# Altium PCB PCB_Kasli.PCBDOC (part 2 of 16) (continued)
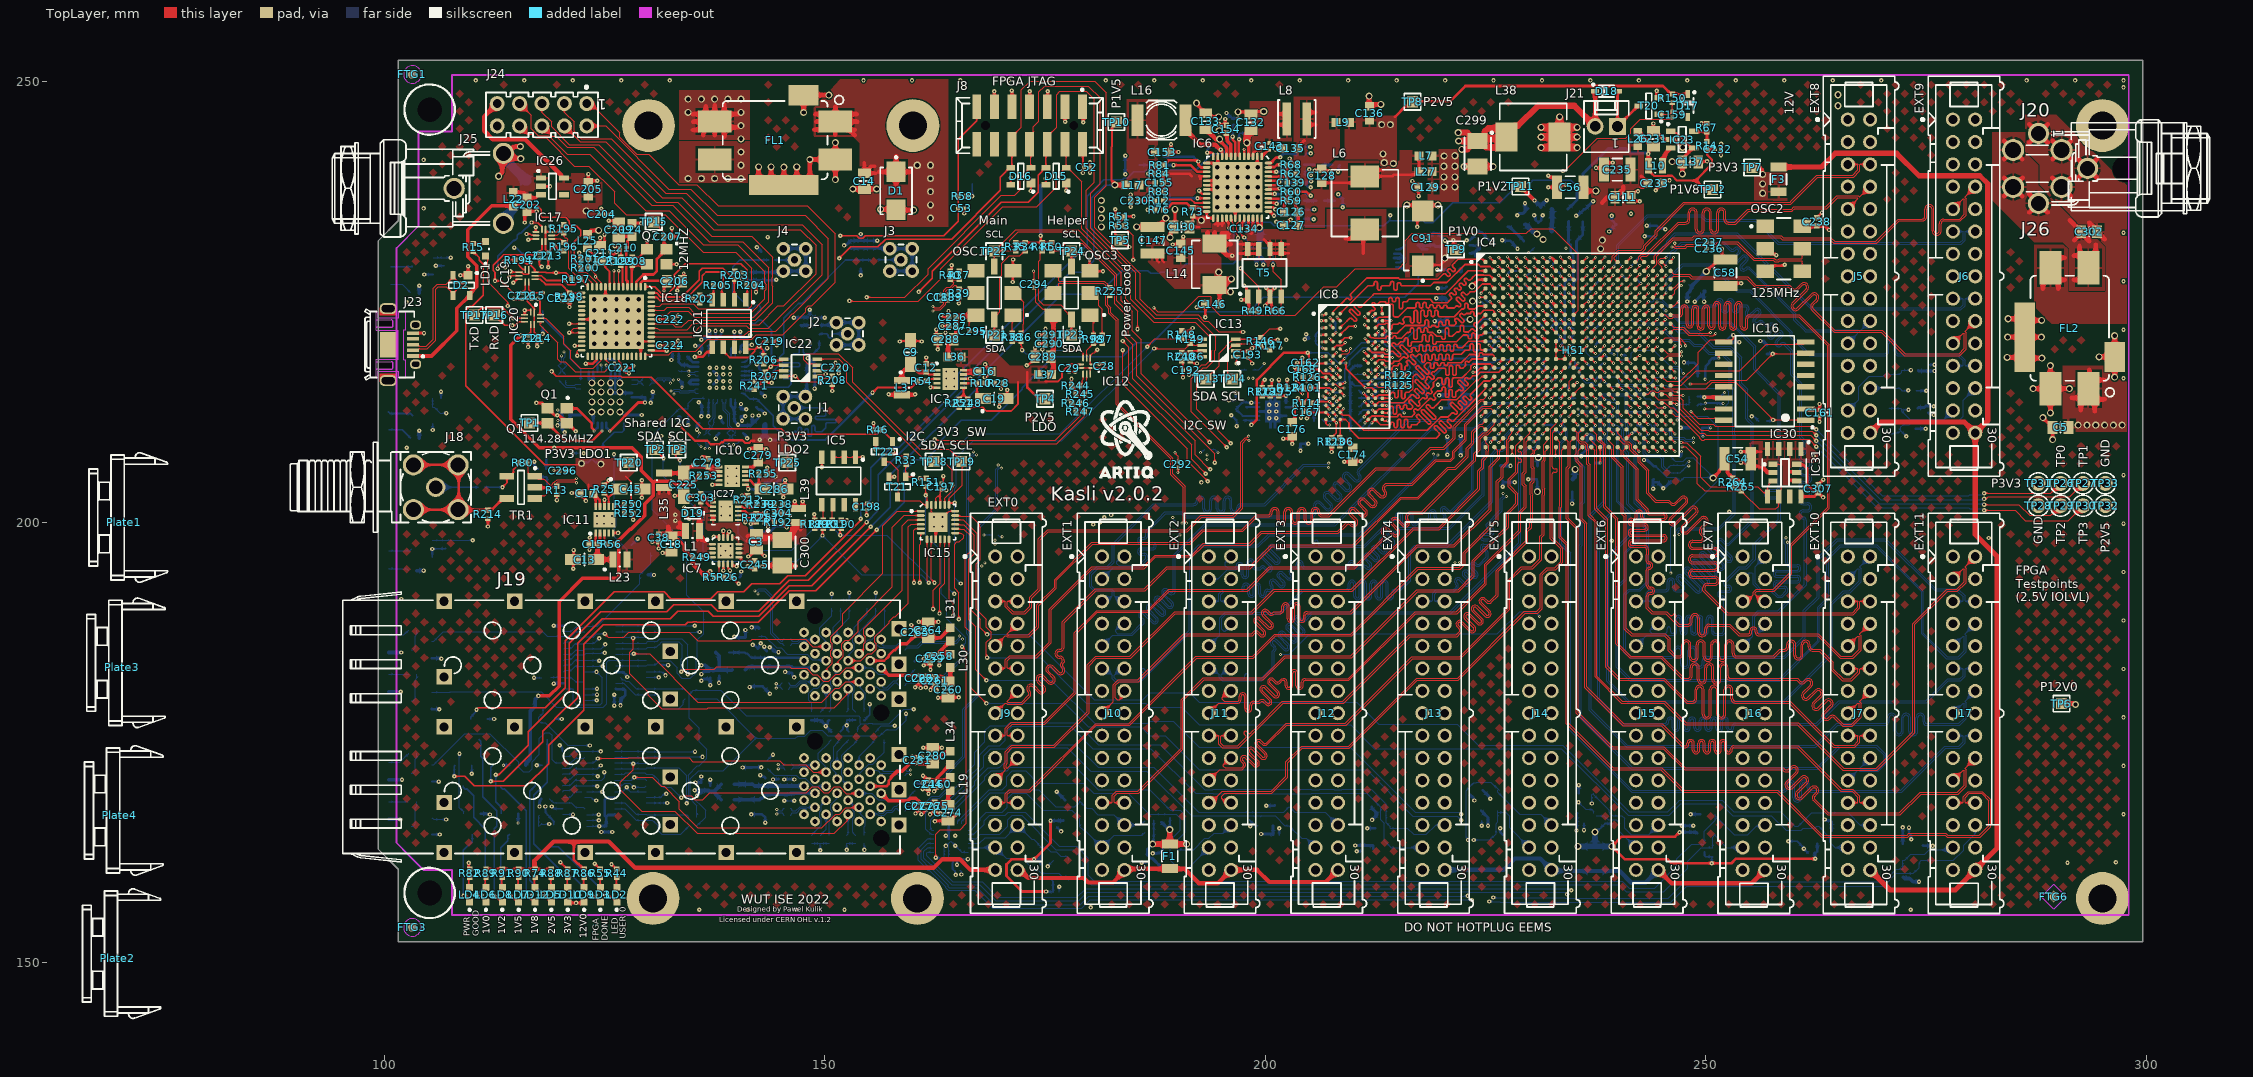
[diagram p0: TopLayer view]
## Components (designator, comment, footprint, x,y, rotation, side; value= is the part's Value field where it differs from the comment) (continued)
R71 "910" RESC1005X40N 203.95,240.7 r180 bottom
R72 "2k" RESC1005X40N 203.962,242.57 r180 bottom
R73 "10k" RESC1005X40N 191.77,235.204 r270 top
R74 "10k" RESC1005X40N 117.122,160.147 r90 top
R75 "7k5" RESC1005X40N 187.96,235.458 r180 bottom
R76 "2k" RESC1005X40N 187.96,235.458 r0 top
R77 "30k" RESC1005X40N 187.96,237.49 r0 bottom
R78 "7k5" RESC1005X40N 188.5,242 r270 bottom
R79 "7k5" RESC1005X40N 187.96,240.538 r0 bottom
R80 "0" RESC1005X40N 115.75,206.75 r0 top
R81 "5k1" RESC1005X40N 188,240.5 r0 top
R82 "1k" RESC1005X40N 109.7,160.147 r90 top
R83 "24k" RESC1005X40N 187.96,237.49 r180 top
R84 "27k" RESC1005X40N 187.96,239.522 r0 top
R85 "43k2" RESC1005X35N 203.962,237.49 r180 bottom
R86 "10k" RESC1005X40N 122.689,160.147 r90 top
R87 "1k" RESC1005X40N 120.833,160.147 r90 top
R88 "10k" RESC1005X40N 118.978,160.147 r90 top
R89 "10k" RESC1005X40N 111.556,160.147 r90 top
R90 "10k" RESC1005X40N 115.267,160.147 r90 top
R91 "10k" RESC1005X40N 113.411,160.147 r90 top
R92 "51k" RESC1005X40N 197.104,244.602 r90 bottom
R93 "36k" RESC1005X40N 198.12,244.602 r270 bottom
R94 "2k2" RESC1005X40N 256.467,211.464 r180 bottom
R95 "2k2" RESC1005X40N 256.894,219.675 r90 bottom
R96 "2k2" RESC1005X40N 252.574,220.429 r0 bottom
R97 "0" RESC1005X40N 181.5,220.75 r90 top
R98 "0" RESC1005X40N 180.5,220.75 r270 top
R99 "51" RESC1005X40N 206.144,214.95 r180 bottom
R100 "51" RESC1005X40N 212.824,215.311 r90 bottom
R101 "51" RESC1005X40N 204.769,215.25 r180 top
R102 "51" RESC1005X40N 206.144,215.875 r180 bottom
R103 "51" RESC1005X40N 206.194,217.15 r180 bottom
R104 "51" RESC1005X40N 206.194,218.075 r180 bottom
R105 "51" RESC1005X40N 210.119,210.375 r180 bottom
R106 "51" RESC1005X40N 208.469,209.1 r270 top
R107 "51" RESC1005X40N 210.119,214.975 r180 bottom
R108 "51" RESC1005X40N 210.119,211.275 r180 bottom
R109 "51" RESC1005X40N 210.119,216 r180 bottom
R110 "51" RESC1005X40N 208.744,210.95 r270 bottom
R111 "51" RESC1005X40N 211.744,209.9 r270 bottom
R112 "51" RESC1005X40N 205.994,211.475 r180 bottom
R113 "51" RESC1005X40N 210.119,212.2 r180 bottom
R114 "51" RESC1005X40N 204.719,213.5 r180 top
R115 "51" RESC1005X40N 210.119,214.05 r180 bottom
R116 "51" RESC1005X40N 205.394,214.05 r180 bottom
R117 "51" RESC1005X40N 205.994,212.375 r180 bottom
R118 "51" RESC1005X40N 210.119,213.125 r180 bottom
R119 "51" RESC1005X40N 205.994,213.25 r180 bottom
R120 "51" RESC1005X40N 211.519,217.6 r0 bottom
R121 "51" RESC1005X40N 210.144,217.275 r270 bottom
R122 "51" RESC1005X40N 215.194,216.675 r180 top
R123 "5k1" RESC1005X40N 207.519,209.1 r90 top
R124 "240" RESC1005X40N 202.944,215.25 r0 top
R125 "240" RESC1005X40N 215.194,215.55 r180 top
R126 "51" RESC1005X40N 204.769,216.45 r0 top
R127 "10k" RESC1005X40N 197.119,212.825 r180 bottom
R128 "10k" RESC1005X40N 199.644,214.775 r270 top
R129 "10k" RESC1005X40N 200.569,214.775 r270 top
R130 "10k" RESC1005X40N 152.8,190.7 r270 bottom
R131 "0" RESC1005X40N 118.3,168.575 r0 bottom
R132 "0" RESC1005X40N 118.425,182.375 r0 bottom
R133 "10k" RESC1005X40N 155.8,190.7 r90 bottom
R134 "10k" RESC1005X40N 149.5,178 r270 bottom
R135 "10k" RESC1005X40N 154.5,178 r270 bottom
R136 "10k" RESC1005X40N 160.25,183.75 r90 bottom
R137 "10k" RESC1005X40N 142.5,187.5 r90 bottom
R138 "10k" RESC1005X40N 150.8,190.7 r90 bottom
R139 "10k" RESC1005X40N 118.4,205.6 r270 bottom
R140 "10k" RESC1005X40N 153.5,178 r90 bottom
R141 "10k" RESC1005X40N 152.5,178 r90 bottom
R142 "240" RESC1005X40N 103.25,182.75 r180 bottom
R143 "240" RESC1005X40N 103.25,187.75 r180 bottom
R144 "10k" RESC1005X40N 149.5,164 r270 bottom
R145 "10k" RESC1005X40N 150.75,175.75 r90 bottom
R146 "10k" RESC1005X40N 199.5,220.5 r270 top
R147 "10k" RESC1005X40N 200.5,220 r270 top
R148 "2k2" RESC1005X40N 190.5,221.25 r90 top
R149 "2k2" RESC1005X40N 191.5,220.75 r90 top
R150 "10k" RESC1005X40N 246.2,248.1 r90 top
R151 "10k" RESC1005X40N 161.5,204.5 r90 top
R152 "200" RESC1005X40N 142.25,217.25 r0 bottom
R153 "200" RESC1005X40N 142.25,219 r0 bottom
R154 "10k" RESC1005X40N 117.4,205.6 r90 bottom
R155 "10k" RESC1005X40N 174.5,162.75 r270 bottom
R156 "10k" RESC1005X40N 174.48,160.72 r90 bottom
R157 "10k" RESC1005X40N 186.869,166.125 r0 bottom
R158 "10k" RESC1005X40N 186.819,164.825 r0 bottom
R159 "10k" RESC1005X40N 189.169,166.875 r270 bottom
R160 "10k" RESC1005X40N 188.219,166.4 r270 bottom
R161 "10k" RESC1005X40N 198.219,166.65 r270 bottom
R162 "10k" RESC1005X40N 199.119,165.9 r270 bottom
R163 "10k" RESC1005X40N 213.144,166.8 r180 bottom
R164 "10k" RESC1005X40N 212.569,167.7 r180 bottom
R165 "10k" RESC1005X40N 223.25,169.5 r270 bottom
R166 "10k" RESC1005X40N 226.5,164.5 r0 bottom
R167 "10k" RESC1005X40N 239.419,166.2 r270 bottom
R168 "10k" RESC1005X40N 238.494,166.175 r270 bottom
R169 "10k" RESC1005X40N 249.844,163.068 r270 bottom
R170 "10k" RESC1005X40N 250.769,162.5 r270 bottom
R171 "10k" RESC1005X40N 271,214.5 r270 bottom
R172 "10k" RESC1005X40N 271,216.5 r270 bottom
R173 "10k" RESC1005X40N 270.75,210.5 r90 bottom
R174 "10k" RESC1005X40N 143.5,172.5 r90 bottom
R175 "10k" RESC1005X40N 270.75,212.5 r270 bottom
R176 "10k" RESC1005X40N 264.25,166.47 r270 bottom
R177 "0" RESC1005X40N 138.05,193.75 r180 bottom
R178 "10k" RESC1005X40N 264.25,164.5 r90 bottom
R179 "0" RESC1005X40N 139.9,193.75 r180 bottom
R180 "10k" RESC1005X40N 273.531,159.655 r270 bottom
R181 "0" RESC1005X40N 142.75,200 r180 bottom
R182 "10k" RESC1005X40N 272.406,160.15 r270 bottom
R183 "10k" RESC1005X40N 148.5,178 r270 bottom
R184 "10k" RESC1005X40N 150.5,178 r270 bottom
R185 "10k" RESC1005X40N 156.8,190.7 r90 bottom
R186 "10k" RESC1005X40N 154.8,190.7 r90 bottom
R187 "10k" RESC1005X40N 148.5,164 r270 bottom
R188 "10k" RESC1005X40N 150.5,164 r270 bottom
R189 "10k" RESC1005X40N 148.85,199.75 r90 top
R190 "10k" RESC1005X40N 151.85,199.75 r90 top
R191 "100" RESC1005X40N 231.05,231.175 r180 bottom
R192 "0" RESC1005X40N 144.75,200 r0 top
R193 "10k" RESC1005X40N 151.75,175.75 r270 bottom
R194 "10k" RESC1005X40N 115.3,229.7 r0 top
R195 "10k" RESC1005X40N 120.396,233.299 r90 top
R196 "10k" RESC1005X40N 120.396,231.267 r270 top
R197 "10k" RESC1005X40N 121.793,227.584 r180 top
R198 "10k" RESC1005X40N 121.031,225.552 r270 top
R199 "12k" RESC1005X40N 126.873,229.616 r270 top
R200 "2k2" RESC1005X40N 122.809,228.854 r0 top
R201 "10k" RESC1005X40N 122.809,229.87 r0 top
R202 "10k" RESC1005X40N 135.825,225.325 r270 top
R203 "10k" RESC1005X40N 139.775,228 r90 top
R204 "10k" RESC1005X40N 141.663,226.871 r0 top
R205 "2k2" RESC1005X40N 137.853,226.871 r0 top
R206 "10k" RESC1005X40N 143.064,218.425 r90 top
R207 "10k" RESC1005X40N 143.235,216.571 r270 top
R208 "2k2" RESC1005X40N 150.85,216.1 r90 top
R209 "10k" RESC1005X40N 129.5,194 r0 bottom
R210 "10k" RESC1005X40N 246.029,206.938 r270 bottom
R211 "10k" RESC1005X40N 247.07,206.938 r270 bottom
R212 "12k" RESC1005X40N 141.25,202.55 r270 top
R213 "10k" RESC1005X40N 151.8,190.7 r270 bottom
R214 "0" RESC1005X40N 111.773,200.875 r90 top
R215 "10k" RESC1005X40N 152.75,175.75 r270 bottom
R216 "240" RESC1005X40N 103.25,173.75 r180 bottom
R217 "10k" RESC1005X40N 155.75,175.75 r90 bottom
R218 "10k" RESC1005X40N 154.5,164 r270 bottom
R219 "10k" RESC1005X40N 160.25,170 r90 bottom
R220 "240" RESC1005X40N 103.22,168.25 r180 bottom
R221 "590k" RESC1005X40N 142.25,200.5 r270 top
R222 "10k" RESC1005X40N 153.5,164 r90 bottom
R223 "10k" RESC1005X40N 152.5,164 r90 bottom
R224 "0" RESC1005X40N 133.4,217.7 r270 bottom
R225 "30" RESC1005X40N 182.35,226.175 r270 top
R226 "240" RESC1005X40N 103.25,194.5 r0 bottom
R227 "2k2" RESC1005X40N 106.975,197.475 r90 bottom
R228 "0" RESC1005X40N 135.03,166.5 r180 bottom
R229 "0" RESC1005X40N 134.625,180.925 r180 bottom
R230 "0" RESC1005X40N 149.85,199.75 r90 top
R231 "0" RESC1005X40N 150.85,199.75 r90 top
R232 "0" RESC1005X40N 135.03,165.499 r180 bottom
R233 "0" RESC1005X40N 134.625,179.925 r180 bottom
R234 "0" RESC1005X40N 156.75,175.75 r270 bottom
R235 "0" RESC1005X40N 153.75,175.75 r270 bottom
R236 "0" RESC1005X40N 131.45,208.55 r90 bottom
R237 "0" RESC1005X40N 132.451,208.55 r90 bottom
R238 "10k" RESC1005X40N 144.75,202 r180 top
R239 "10k" RESC1005X40N 142.75,202 r180 top
R240 "200k" RESC1005X40N 190.5,218.75 r270 top
R241 "200k" RESC1005X40N 142,215.5 r90 top
R242 "10k" RESC1005X40N 133.5,212.4 r270 bottom
R243 "10k" RESC1005X40N 134.5,212.4 r90 bottom
R244 "10k" RESC1005X40N 178.5,215.5 r180 top
R245 "10k" RESC1005X40N 179,214.5 r180 top
R246 "10k" RESC1005X40N 178.5,213.5 r0 top
R247 "10k" RESC1005X40N 179,212.5 r0 top
R248 "430k" RESC1005X40N 166.25,213.5 r270 top
R249 "82k" RESC1005X40N 135.5,196 r180 top
R250 "82k" RESC1005X40N 127.75,202 r0 top
R251 "82k" RESC1005X40N 165.25,213.5 r90 top
R252 "10k" RESC1005X40N 127.75,201 r0 top
R253 "0" RESC1005X40N 136.25,205.25 r0 top
R254 "82k" RESC1005X40N 142.7,204.45 r0 bottom
R255 "33k" RESC1005X40N 143,205.5 r180 top
R256 "10k" RESC1005X40N 142.7,203.525 r0 bottom
R257 "200k" RESC1005X40N 143.25,200.5 r90 top
R264 "10k" RESC1005X40N 253.075,204.5 r90 top
R265 "10k" RESC1005X40N 254,204 r90 top
T1 "BSH103" SOT95P230X110-3N 116.84,223.012 r180 bottom
T2 "BSH103" SOT95P230X110-3N 104.353,212.112 r180 bottom
T3 "BSH103" SOT95P230X110-3N 118.5,164.3 r270 bottom
T4 "BSH103" SOT95P230X110-3N 118.5,176.5 r270 bottom
T5 "FDS9926A" SOIC127P600X175-8N 199.9,228.3 r90 top
T6 "BSH103" SOT95P230X110-3N 110,165.75 r270 bottom
T7 "BSH103" SOT95P230X110-3N 117,171.25 r270 bottom
T8 "BSH103" SOT95P230X110-3N 109,171.25 r270 bottom
T9 "BSH103" SOT95P230X110-3N 114.25,165.75 r270 bottom
T10 "BSH103" SOT95P230X110-3N 110.75,176.5 r270 bottom
T11 "BSH103" SOT95P230X110-3N 104.25,185.5 r180 bottom
T12 "BSH103" SOT95P230X110-3N 104.4,229.05 r180 bottom
T13 "BSH103" SOT95P230X110-3N 115.1,231.225 r90 bottom
T14 "BSH103" SOT95P230X110-3N 129.125,196.525 r0 bottom
T15 "BSH103" SOT95P230X110-3N 113.25,171.25 r270 bottom
T16 "BSH103" SOT95P230X110-3N 104.25,179.75 r180 bottom
T17 "BSH103" SOT95P230X110-3N 104.25,171.5 r180 bottom
T18 "BSH103" SOT95P230X110-3N 104.25,165.5 r180 bottom
T19 "BSH103" SOT95P230X110-3N 104.301,197 r180 bottom
T20 "BSH103" SOT95P230X110-3N 243.525,247.225 r180 top
T21 "BSH103" SOT95P230X110-3N 158.25,204 r270 top
T22 "BSH103" SOT95P230X110-3N 156.75,208 r270 top
TP1 "Q1" TPS127 116.5,211.25 r0 top
TP2 "Si5324 I2C SDA" TPS127 130.75,208.25 r0 top
TP3 "Si5324 I2C SCL" TPS127 133.25,208.25 r0 top
TP4 "P2V5 LDO" TPS127 175,214 r270 top
TP5 "Power Good" TPS127 183.5,232 r0 top
TP6 "P12V0" TPS127 290.35,179.4 r270 top
TP7 "P3V3" TPS127 255.25,240.25 r270 top
TP8 "P2V5" TPS127 216.7,247.7 r0 top
TP9 "P1V0" TPS127 221.619,230.95 r0 top
TP10 "P1V5" TPS127 183.1,245.4 r90 top
TP11 "P1V2" TPS127 228.96,238.09 r90 top
TP12 "P1V8" TPS127 250.75,237.75 r90 top
TP13 "I2C SW SDA" TPS127 193.25,216.25 r90 top
TP14 "I2C SW SCL" TPS127 196.25,216.25 r90 top
TP15 "Q2" TPS127 130.6,234.075 r90 top
TP16 "RxD" TPS127 112.5,223.5 r90 top
TP17 "TxD" TPS127 110.25,223.5 r90 top
TP18 "USB I2C SDA" TPS127 162.368,206.875 r90 top
TP19 "USB I2C SCL" TPS127 165.518,206.875 r90 top
TP20 "P2V5 LDO" TPS127 127.75,206.75 r90 top
TP21 "I2C SW SDA" TPS127 169.25,221.25 r90 top
TP22 "I2C SW SCL" TPS127 169.25,230.75 r90 top
TP23 "I2C SW SDA" TPS127 178,221.25 r270 top
TP24 "I2C SW SCL" TPS127 178,230.75 r270 top
TP25 "P2V5 LDO" TPS127 145.75,206.75 r0 top
TP26 "Plated Hole" c170h100 290.26,204.4 r180 top
TP27 "Plated Hole" c170h100 292.8,204.4 r180 top
TP28 "Plated Hole" c170h100 287.72,201.86 r180 top
TP29 "Plated Hole" c170h100 290.26,201.86 r180 top
TP30 "Plated Hole" c170h100 292.8,201.86 r180 top
TP31 "Plated Hole" c170h100 287.72,204.4 r90 top
TP32 "Plated Hole" c170h100 295.34,201.86 r180 top
TP33 "Plated Hole" c170h100 295.34,204.4 r0 top
TR1 "1:2" XFMR_MINI-CIRCUITS_AT1521 115.525,203.942 r270 top

## Footprints (in the part's own frame and the unit in brackets; to place one, negate y for a bottom-side part, rotate by r counter-clockwise, add the part's x,y. Pads: shape width x height; smd on the part's side, far side on the other; paste and mask are expansions set on the pad)
3M_N2530-6002RB [mm] "30 Contacts - Straight .100\" x .100\" Low Profile Four-Wall Header"
  round 1.6 hole 1: 1(-17.78,-1.27) 2(-17.78,1.27) 3(-15.24,-1.27) 4(-15.24,1.27) 5(-12.7,-1.27) 6(-12.7,1.27) 7(-10.16,-1.27) 8(-10.16,1.27) 9(-7.62,-1.27) 10(-7.62,1.27) 11(-5.08,-1.27) 12(-5.08,1.27) 13(-2.54,-1.27) 14(-2.54,1.27) 15(0,-1.27) 16(0,1.27) 17(2.54,-1.27) 18(2.54,1.27) 19(5.08,-1.27) 20(5.08,1.27) 21(7.62,-1.27) 22(7.62,1.27) 23(10.16,-1.27) 24(10.16,1.27) 25(12.7,-1.27) 26(12.7,1.27) 27(15.24,-1.27) 28(15.24,1.27) 29(17.78,-1.27) 30(17.78,1.27)
  silkscreen extent -22.71,-4.85 22.71,4.52, body extent -22.71,-4.11 22.71,4.52, height 9.91
AMPHENOL_132203 [mm] "50 Ohm Through Hole SMA Right Angle PCB Jack"
  round 2.2 hole 1.5: 1(0,0)
  round 2.4 hole 1.7: 2(-2.54,2.54) 2(-2.54,-2.54) 2(2.54,2.54) 2(2.54,-2.54)
  silkscreen extent -4,-5.1 16.5,5.1, body extent -4,-5.1 16.5,5.1, height 11.45
AMPHENOL_U77A11108000P [mm] "Plastic Dust Cover SFP Cage"
  silkscreen extent -4,-6.82 4.9,7.87, body extent -4.03,-6.82 4.9,7.87, height 5.1
AMPHENOL_UE78B212700321 [mm] "SFP 2x2 Press Fit Cage with 4x20 Positions Integrated Receptacles"
  round 1.1 hole 0.6: LB1(-1.25,3.52) LB2(-2.5,4.32) LB3(-1.25,5.12) LB4(-2.5,5.92) LB5(-1.25,6.72) LB6(-2.5,7.52) LB7(-1.25,8.32) LB8(-2.5,9.12) LB9(-1.25,9.92) LB10(-2.5,10.72) LB11(-5,10.72) LB12(-3.75,9.92) LB13(-5,9.12) LB14(-3.75,8.32) LB15(-5,7.52) LB16(-3.75,6.72) LB17(-5,5.92) LB18(-3.75,5.12) LB19(-5,4.32) LB20(-3.75,3.52) LT1(0,10.72) LT2(1.25,9.92) LT3(0,9.12) LT4(1.25,8.32) LT5(0,7.52) LT6(1.25,6.72) LT7(0,5.92) LT8(1.25,5.12) LT9(0,4.32) LT10(1.25,3.52) LT11(3.75,3.52) LT12(2.5,4.32) LT13(3.75,5.12) LT14(2.5,5.92) LT15(3.75,6.72) LT16(2.5,7.52) LT17(3.75,8.32) LT18(2.5,9.12) LT19(3.75,9.92) LT20(2.5,10.72) RB1(-1.25,-10.73) RB2(-2.5,-9.93) RB3(-1.25,-9.13) RB4(-2.5,-8.33) RB5(-1.25,-7.53) RB6(-2.5,-6.73) RB7(-1.25,-5.93) RB8(-2.5,-5.13) RB9(-1.25,-4.33) RB10(-2.5,-3.53) RB11(-5,-3.53) RB12(-3.75,-4.33) RB13(-5,-5.13) RB14(-3.75,-5.93) RB15(-5,-6.73) RB16(-3.75,-7.53) RB17(-5,-8.33) RB18(-3.75,-9.13) RB19(-5,-9.93) RB20(-3.75,-10.73) RT1(0,-3.53) RT2(1.25,-4.33) RT3(0,-5.13) RT4(1.25,-5.93) RT5(0,-6.73) RT6(1.25,-7.53) RT7(0,-8.33) RT8(1.25,-9.13) RT9(0,-9.93) RT10(1.25,-10.73) RT11(3.75,-10.73) RT12(2.5,-9.93) RT13(3.75,-9.13) RT14(2.5,-8.33) RT15(3.75,-7.53) RT16(2.5,-6.73) RT17(3.75,-5.93) RT18(2.5,-5.13) RT19(3.75,-4.33) RT20(2.5,-3.53)
  round 0.5 hole 1.85 unplated: MECH1(-3.75,12.62) MECH2(3.75,1.62) MECH3(-3.75,-1.63) MECH4(3.75,-12.63)
  rect 1.75x1.75 hole 1.05: SHIELD(-45.85,-14.25) SHIELD(-45.85,-8.58) SHIELD(-45.85,0) SHIELD(-45.85,5.67) SHIELD(-45.85,14.25) SHIELD(-37.85,-14.25) SHIELD(-37.85,0) SHIELD(-37.85,14.25) SHIELD(-29.85,-14.25) SHIELD(-29.85,0) SHIELD(-29.85,14.25) SHIELD(-21.85,-14.25) SHIELD(-21.85,0) SHIELD(-21.85,14.25) SHIELD(-20.17,-11.08) SHIELD(-20.17,-5.68) SHIELD(-20.17,3.17) SHIELD(-20.17,8.57) SHIELD(-13.85,-14.25) SHIELD(-13.85,0) SHIELD(-13.85,14.25) SHIELD(-5.85,-14.25) SHIELD(-5.85,0) SHIELD(-5.85,14.25) SHIELD(5.78,-11.13) SHIELD(5.78,-7.13) SHIELD(5.78,-3.13) SHIELD(5.78,3.12) SHIELD(5.78,7.12) SHIELD(5.78,11.12)
  silkscreen extent -57.35,-15.32 5.9,15.31, body extent -57.35,-15.32 5.9,15.31, height 26.39
BGA96C80P9X16_800X1400X120 [mm] "BGA, 0.80mm Pitch, Rect.; 96 Pin, 9 Columns X 16 Rows, 8.00mm X 14.00mm X 1.20mm H"
  round 0.4 smd: A1(-3.2,6) A2(-2.4,6) A3(-1.6,6) A7(1.6,6) A8(2.4,6) A9(3.2,6) B1(-3.2,5.2) B2(-2.4,5.2) B3(-1.6,5.2) B7(1.6,5.2) B8(2.4,5.2) B9(3.2,5.2) C1(-3.2,4.4) C2(-2.4,4.4) C3(-1.6,4.4) C7(1.6,4.4) C8(2.4,4.4) C9(3.2,4.4) D1(-3.2,3.6) D2(-2.4,3.6) D3(-1.6,3.6) D7(1.6,3.6) D8(2.4,3.6) D9(3.2,3.6) E1(-3.2,2.8) E2(-2.4,2.8) E3(-1.6,2.8) E7(1.6,2.8) E8(2.4,2.8) E9(3.2,2.8) F1(-3.2,2) F2(-2.4,2) F3(-1.6,2) F7(1.6,2) F8(2.4,2) F9(3.2,2) G1(-3.2,1.2) G2(-2.4,1.2) G3(-1.6,1.2) G7(1.6,1.2) G8(2.4,1.2) G9(3.2,1.2) H1(-3.2,0.4) H2(-2.4,0.4) H3(-1.6,0.4) H7(1.6,0.4) H8(2.4,0.4) H9(3.2,0.4) J1(-3.2,-0.4) J2(-2.4,-0.4) J3(-1.6,-0.4) J7(1.6,-0.4) J8(2.4,-0.4) J9(3.2,-0.4) K1(-3.2,-1.2) K2(-2.4,-1.2) K3(-1.6,-1.2) K7(1.6,-1.2) K8(2.4,-1.2) K9(3.2,-1.2) L1(-3.2,-2) L2(-2.4,-2) L3(-1.6,-2) L7(1.6,-2) L8(2.4,-2) L9(3.2,-2) M1(-3.2,-2.8) M2(-2.4,-2.8) M3(-1.6,-2.8) M7(1.6,-2.8) M8(2.4,-2.8) M9(3.2,-2.8) N1(-3.2,-3.6) N2(-2.4,-3.6) N3(-1.6,-3.6) N7(1.6,-3.6) N8(2.4,-3.6) N9(3.2,-3.6) P1(-3.2,-4.4) P2(-2.4,-4.4) P3(-1.6,-4.4) P7(1.6,-4.4) P8(2.4,-4.4) P9(3.2,-4.4) R1(-3.2,-5.2) R2(-2.4,-5.2) R3(-1.6,-5.2) R7(1.6,-5.2) R8(2.4,-5.2) R9(3.2,-5.2) T1(-3.2,-6) T2(-2.4,-6) T3(-1.6,-6) T7(1.6,-6) T8(2.4,-6) T9(3.2,-6)
  silkscreen extent -4.72,-7 4,7, body extent -4.07,-7.07 4.08,7.08, height 1.2
BGA484C100P22X22_2300X2300X260 [mm] "BGA,1.00mm pitch,square;484 pin,22 columns X 22 rows,23.00mm X 23.00mm X 2.60mm H"
  round 0.5 smd: A1(-10.5,10.5) A2(-9.5,10.5) A3(-8.5,10.5) A4(-7.5,10.5) A5(-6.5,10.5) A6(-5.5,10.5) A7(-4.5,10.5) A8(-3.5,10.5) A9(-2.5,10.5) A10(-1.5,10.5) A11(-0.5,10.5) A12(0.5,10.5) A13(1.5,10.5) A14(2.5,10.5) A15(3.5,10.5) A16(4.5,10.5) A17(5.5,10.5) A18(6.5,10.5) A19(7.5,10.5) A20(8.5,10.5) A21(9.5,10.5) A22(10.5,10.5) AA1(-10.5,-9.5) AA2(-9.5,-9.5) AA3(-8.5,-9.5) AA4(-7.5,-9.5) AA5(-6.5,-9.5) AA6(-5.5,-9.5) AA7(-4.5,-9.5) AA8(-3.5,-9.5) AA9(-2.5,-9.5) AA10(-1.5,-9.5) AA11(-0.5,-9.5) AA12(0.5,-9.5) AA13(1.5,-9.5) AA14(2.5,-9.5) AA15(3.5,-9.5) AA16(4.5,-9.5) AA17(5.5,-9.5) AA18(6.5,-9.5) AA19(7.5,-9.5) AA20(8.5,-9.5) AA21(9.5,-9.5) AA22(10.5,-9.5) AB1(-10.5,-10.5) AB2(-9.5,-10.5) AB3(-8.5,-10.5) AB4(-7.5,-10.5) AB5(-6.5,-10.5) AB6(-5.5,-10.5) AB7(-4.5,-10.5) AB8(-3.5,-10.5) AB9(-2.5,-10.5) AB10(-1.5,-10.5) AB11(-0.5,-10.5) AB12(0.5,-10.5) AB13(1.5,-10.5) AB14(2.5,-10.5) AB15(3.5,-10.5) AB16(4.5,-10.5) AB17(5.5,-10.5) AB18(6.5,-10.5) AB19(7.5,-10.5) AB20(8.5,-10.5) AB21(9.5,-10.5) AB22(10.5,-10.5) B1(-10.5,9.5) B2(-9.5,9.5) B3(-8.5,9.5) B4(-7.5,9.5) B5(-6.5,9.5) B6(-5.5,9.5) B7(-4.5,9.5) B8(-3.5,9.5) B9(-2.5,9.5) B10(-1.5,9.5) B11(-0.5,9.5) B12(0.5,9.5) B13(1.5,9.5) B14(2.5,9.5) B15(3.5,9.5) B16(4.5,9.5) B17(5.5,9.5) B18(6.5,9.5) B19(7.5,9.5) B20(8.5,9.5) B21(9.5,9.5) B22(10.5,9.5) C1(-10.5,8.5) C2(-9.5,8.5) C3(-8.5,8.5) C4(-7.5,8.5) C5(-6.5,8.5) C6(-5.5,8.5) C7(-4.5,8.5) C8(-3.5,8.5) C9(-2.5,8.5) C10(-1.5,8.5) C11(-0.5,8.5) C12(0.5,8.5) C13(1.5,8.5) C14(2.5,8.5) C15(3.5,8.5) C16(4.5,8.5) C17(5.5,8.5) C18(6.5,8.5) C19(7.5,8.5) C20(8.5,8.5) C21(9.5,8.5) C22(10.5,8.5) D1(-10.5,7.5) D2(-9.5,7.5) D3(-8.5,7.5) D4(-7.5,7.5) D5(-6.5,7.5) D6(-5.5,7.5) D7(-4.5,7.5) D8(-3.5,7.5) D9(-2.5,7.5) D10(-1.5,7.5) D11(-0.5,7.5) D12(0.5,7.5) D13(1.5,7.5) D14(2.5,7.5) D15(3.5,7.5) D16(4.5,7.5) D17(5.5,7.5) D18(6.5,7.5) D19(7.5,7.5) D20(8.5,7.5) D21(9.5,7.5) D22(10.5,7.5) E1(-10.5,6.5) E2(-9.5,6.5) E3(-8.5,6.5) E4(-7.5,6.5) E5(-6.5,6.5) E6(-5.5,6.5) E7(-4.5,6.5) E8(-3.5,6.5) E9(-2.5,6.5) E10(-1.5,6.5) E11(-0.5,6.5) E12(0.5,6.5) E13(1.5,6.5) E14(2.5,6.5) E15(3.5,6.5) E16(4.5,6.5) E17(5.5,6.5) E18(6.5,6.5) E19(7.5,6.5) E20(8.5,6.5) E21(9.5,6.5) E22(10.5,6.5) F1(-10.5,5.5) F2(-9.5,5.5) F3(-8.5,5.5) F4(-7.5,5.5) F5(-6.5,5.5) F6(-5.5,5.5) F7(-4.5,5.5) F8(-3.5,5.5) F9(-2.5,5.5) F10(-1.5,5.5) F11(-0.5,5.5) F12(0.5,5.5) F13(1.5,5.5) F14(2.5,5.5) F15(3.5,5.5) F16(4.5,5.5) F17(5.5,5.5) F18(6.5,5.5) F19(7.5,5.5) F20(8.5,5.5) F21(9.5,5.5) F22(10.5,5.5) G1(-10.5,4.5) G2(-9.5,4.5) G3(-8.5,4.5) G4(-7.5,4.5) G5(-6.5,4.5) G6(-5.5,4.5) G7(-4.5,4.5) G8(-3.5,4.5) G9(-2.5,4.5) G10(-1.5,4.5) G11(-0.5,4.5) G12(0.5,4.5) G13(1.5,4.5) G14(2.5,4.5) G15(3.5,4.5) G16(4.5,4.5) G17(5.5,4.5) G18(6.5,4.5) G19(7.5,4.5) G20(8.5,4.5) G21(9.5,4.5) G22(10.5,4.5) H1(-10.5,3.5) H2(-9.5,3.5) H3(-8.5,3.5) H4(-7.5,3.5) H5(-6.5,3.5) H6(-5.5,3.5) H7(-4.5,3.5) H8(-3.5,3.5) H9(-2.5,3.5) H10(-1.5,3.5) H11(-0.5,3.5) H12(0.5,3.5) H13(1.5,3.5) H14(2.5,3.5) H15(3.5,3.5) H16(4.5,3.5) H17(5.5,3.5) H18(6.5,3.5) H19(7.5,3.5) H20(8.5,3.5) H21(9.5,3.5) H22(10.5,3.5) J1(-10.5,2.5) J2(-9.5,2.5) J3(-8.5,2.5) J4(-7.5,2.5) J5(-6.5,2.5) J6(-5.5,2.5) J7(-4.5,2.5) J8(-3.5,2.5) J9(-2.5,2.5) J10(-1.5,2.5) J11(-0.5,2.5) J12(0.5,2.5) J13(1.5,2.5) J14(2.5,2.5) J15(3.5,2.5) J16(4.5,2.5) J17(5.5,2.5) J18(6.5,2.5) J19(7.5,2.5) J20(8.5,2.5) J21(9.5,2.5) J22(10.5,2.5) K1(-10.5,1.5) K2(-9.5,1.5) K3(-8.5,1.5) K4(-7.5,1.5) K5(-6.5,1.5) K6(-5.5,1.5) K7(-4.5,1.5) K8(-3.5,1.5) K9(-2.5,1.5) K10(-1.5,1.5) K11(-0.5,1.5) K12(0.5,1.5) K13(1.5,1.5) K14(2.5,1.5) K15(3.5,1.5) K16(4.5,1.5) K17(5.5,1.5) K18(6.5,1.5) K19(7.5,1.5) K20(8.5,1.5) K21(9.5,1.5) K22(10.5,1.5) L1(-10.5,0.5) L2(-9.5,0.5) L3(-8.5,0.5) L4(-7.5,0.5) L5(-6.5,0.5) L6(-5.5,0.5) L7(-4.5,0.5) L8(-3.5,0.5) L9(-2.5,0.5) L10(-1.5,0.5) L11(-0.5,0.5) L12(0.5,0.5) L13(1.5,0.5) L14(2.5,0.5) L15(3.5,0.5) L16(4.5,0.5) L17(5.5,0.5) L18(6.5,0.5) L19(7.5,0.5) L20(8.5,0.5) L21(9.5,0.5) L22(10.5,0.5) M1(-10.5,-0.5) M2(-9.5,-0.5) M3(-8.5,-0.5) M4(-7.5,-0.5) M5(-6.5,-0.5) M6(-5.5,-0.5) M7(-4.5,-0.5) M8(-3.5,-0.5) M9(-2.5,-0.5) M10(-1.5,-0.5) M11(-0.5,-0.5) M12(0.5,-0.5) M13(1.5,-0.5) M14(2.5,-0.5) M15(3.5,-0.5) M16(4.5,-0.5) M17(5.5,-0.5) M18(6.5,-0.5) M19(7.5,-0.5) M20(8.5,-0.5) M21(9.5,-0.5) M22(10.5,-0.5) N1(-10.5,-1.5) N2(-9.5,-1.5) N3(-8.5,-1.5) N4(-7.5,-1.5) N5(-6.5,-1.5) N6(-5.5,-1.5) N7(-4.5,-1.5) N8(-3.5,-1.5) N9(-2.5,-1.5) N10(-1.5,-1.5) N11(-0.5,-1.5) N12(0.5,-1.5) N13(1.5,-1.5) N14(2.5,-1.5) N15(3.5,-1.5) N16(4.5,-1.5) N17(5.5,-1.5) N18(6.5,-1.5) N19(7.5,-1.5) N20(8.5,-1.5) N21(9.5,-1.5) N22(10.5,-1.5) P1(-10.5,-2.5) P2(-9.5,-2.5) P3(-8.5,-2.5) P4(-7.5,-2.5) P5(-6.5,-2.5) P6(-5.5,-2.5) P7(-4.5,-2.5) P8(-3.5,-2.5) P9(-2.5,-2.5) P10(-1.5,-2.5) P11(-0.5,-2.5) P12(0.5,-2.5) P13(1.5,-2.5) P14(2.5,-2.5) P15(3.5,-2.5) P16(4.5,-2.5) P17(5.5,-2.5) P18(6.5,-2.5) P19(7.5,-2.5) P20(8.5,-2.5) P21(9.5,-2.5) P22(10.5,-2.5) R1(-10.5,-3.5) R2(-9.5,-3.5) R3(-8.5,-3.5) R4(-7.5,-3.5) R5(-6.5,-3.5) R6(-5.5,-3.5) R7(-4.5,-3.5) R8(-3.5,-3.5) R9(-2.5,-3.5) R10(-1.5,-3.5) R11(-0.5,-3.5) R12(0.5,-3.5) R13(1.5,-3.5) R14(2.5,-3.5) R15(3.5,-3.5) R16(4.5,-3.5) R17(5.5,-3.5) R18(6.5,-3.5) R19(7.5,-3.5) R20(8.5,-3.5) R21(9.5,-3.5) R22(10.5,-3.5) T1(-10.5,-4.5) T2(-9.5,-4.5) T3(-8.5,-4.5) T4(-7.5,-4.5) T5(-6.5,-4.5) T6(-5.5,-4.5) T7(-4.5,-4.5) T8(-3.5,-4.5) T9(-2.5,-4.5) T10(-1.5,-4.5) T11(-0.5,-4.5) T12(0.5,-4.5) T13(1.5,-4.5) T14(2.5,-4.5) T15(3.5,-4.5) T16(4.5,-4.5) T17(5.5,-4.5) T18(6.5,-4.5) T19(7.5,-4.5) T20(8.5,-4.5) T21(9.5,-4.5) T22(10.5,-4.5) U1(-10.5,-5.5) U2(-9.5,-5.5) U3(-8.5,-5.5) U4(-7.5,-5.5) U5(-6.5,-5.5) U6(-5.5,-5.5) U7(-4.5,-5.5) U8(-3.5,-5.5) U9(-2.5,-5.5) U10(-1.5,-5.5) U11(-0.5,-5.5) U12(0.5,-5.5) U13(1.5,-5.5) U14(2.5,-5.5) U15(3.5,-5.5) U16(4.5,-5.5) U17(5.5,-5.5) U18(6.5,-5.5) U19(7.5,-5.5) U20(8.5,-5.5) U21(9.5,-5.5) U22(10.5,-5.5) V1(-10.5,-6.5) V2(-9.5,-6.5) V3(-8.5,-6.5) V4(-7.5,-6.5) V5(-6.5,-6.5) V6(-5.5,-6.5) V7(-4.5,-6.5) V8(-3.5,-6.5) V9(-2.5,-6.5) V10(-1.5,-6.5) V11(-0.5,-6.5) V12(0.5,-6.5) V13(1.5,-6.5) V14(2.5,-6.5) V15(3.5,-6.5) V16(4.5,-6.5) V17(5.5,-6.5) V18(6.5,-6.5) V19(7.5,-6.5) V20(8.5,-6.5) V21(9.5,-6.5) V22(10.5,-6.5) W1(-10.5,-7.5) W2(-9.5,-7.5) W3(-8.5,-7.5) W4(-7.5,-7.5) W5(-6.5,-7.5) W6(-5.5,-7.5) W7(-4.5,-7.5) W8(-3.5,-7.5) W9(-2.5,-7.5) W10(-1.5,-7.5) W11(-0.5,-7.5) W12(0.5,-7.5) W13(1.5,-7.5) W14(2.5,-7.5) W15(3.5,-7.5) W16(4.5,-7.5) W17(5.5,-7.5) W18(6.5,-7.5) W19(7.5,-7.5) W20(8.5,-7.5) W21(9.5,-7.5) W22(10.5,-7.5) Y1(-10.5,-8.5) Y2(-9.5,-8.5) Y3(-8.5,-8.5) Y4(-7.5,-8.5) Y5(-6.5,-8.5) Y6(-5.5,-8.5) Y7(-4.5,-8.5) Y8(-3.5,-8.5) Y9(-2.5,-8.5) Y10(-1.5,-8.5) Y11(-0.5,-8.5) Y12(0.5,-8.5) Y13(1.5,-8.5) Y14(2.5,-8.5) Y15(3.5,-8.5) Y16(4.5,-8.5) Y17(5.5,-8.5) Y18(6.5,-8.5) Y19(7.5,-8.5) Y20(8.5,-8.5) Y21(9.5,-8.5) Y22(10.5,-8.5)
  silkscreen extent -12.22,-11.5 11.5,11.5, body extent -11.5,-11.5 11.5,11.5, height 2.6
c170h100 [mm] "Plated Through Hole: Hole Dia.=1mm Pad Dia.=1.7mm, IPC-7251 Level A"
  round 1.7 hole 1: 1(0,0)
  silkscreen extent -1.2,-1.2 1.2,1.2
CAPC0603X33N [mm] "Chip Capacitor, Body 0.6x0.30mm, IPC Medium Density"
  rect 0.45x0.4 smd: 1(-0.35,0) 2(0.35,0)
  body extent -0.31,-0.16 0.32,0.17, height 0.33
CAPC1005X55N [mm] "Chip Capacitor, Body 1.0x0.55mm, IPC Medium Density"
  rect 0.62x0.62 smd: 1(-0.45,0) 2(0.45,0)
  body extent -0.52,-0.27 0.53,0.28, height 0.55
CAPC1608X87N [mm] "Chip Capacitor, Body 1.6x0.8mm IPC Medium Density"
  rect 0.95x1 smd: 1(-0.8,0) 2(0.8,0)
  body extent -0.87,-0.47 0.88,0.48, height 0.87
CAPC1709X100N [mm] "Capacitor,non-Polarized, Chip;1.65mm L X 0.85mm W X 1.00mm H, IPC Medium Density"
  rect 0.95x1.05 smd: 1(-0.8,0) 2(0.8,0)
  body extent -0.9,-0.5 0.9,0.5, height 1
CAPC2012X95N [mm] "Chip Capacitor, Body 2.0x1.25mm, IPC Medium Density"
  rect 1.1x1.45 smd: 1(-0.9,0) 2(0.9,0)
  silkscreen extent 0,-0.58 0,0.58, body extent -1.05,-0.67 1.05,0.68, height 0.95
CAPC2012X135N [mm] "Chip Capacitor, Body 2.0x1.25mm, IPC Medium Density"
  rect 1.05x1.4 smd: 1(-0.9,0) 2(0.9,0)
  silkscreen extent 0,-0.58 0,0.58, body extent -1.05,-0.67 1.05,0.68, height 1.25
CAPC3225X270N [mm] "Chip Capacitor, Body 3.2x2.5mm, IPC Medium Density"
  rect 1.15x2.7 smd: 1(-1.5,0) 2(1.5,0)
  silkscreen extent -0.55,-1.25 0.55,1.25, body extent -1.7,-1.35 1.7,1.35, height 2.7
CAPMP3216X180N [mm] "Capacitor, Polarized, Molded  Body 3.2x1.6mm, IPC Medium Density"
  rect 1.8x1.25 smd: 1(-1.3,0) 2(1.3,0)
  silkscreen extent -2.4,-0.7 0,1.25, body extent -1.7,-0.9 1.7,0.9, height 1.6
CAPMP3528X210N [mm] "Capacitor, Polarized, Molded  Body 3.5x2.8mm, IPC Medium Density"
  rect 1.8x2.25 smd: 1(-1.45,0) 2(1.45,0)
  silkscreen extent -2.52,-1.5 1.85,1.73, body extent -1.85,-1.5 1.85,1.5, height 2.1
CAPMP7343X190N [mm] "Capacitor, Polarized, Molded  Body 7.3x4.3mm, IPC Medium Density"
  rect 2.35x2.45 smd: 1(-3.1,0) 2(3.1,0)
  silkscreen extent -4.92,-2.15 3.65,2.15, body extent -3.8,-2.3 3.8,2.3, height 1.9
DIOM5336X265N [mm] "DO-214-AA/SMB Diode, Molded Body; 5.34mm L X 3.625mm W X 2.65mm H, IPC Medium Density"
  rect 2.3x2.15 smd: 1(-2.15,0) 2(2.15,0)
  silkscreen extent -3.92,-1.8 2.65,1.8, body extent -2.7,-1.95 2.7,1.95, height 2.4
FIDUCIAL_TOP_C100-200 [mm] "Round Fiducial Target, Top Layer, 1.0mm, Top Solder 2.0mm, Keepout =2.0mm"
  round 1 smd paste-0.51 mask+0.5: FTG2(0,0)
  TopLayer keep-out circle w0.1: c0,0 r1
FIDUCIAL_TOP_S100-200 [mm] "Square Fiducial Target, Top Layer, 1.0mm, Top Solder 2.0mm, Keepout =2.0mm"
  rect 1x1 smd rot 45 paste-0.51 mask+0.5: 1(0,0)
  TopLayer keep-out region: 1.414,0 0,-1.414 -1.414,0 0,1.414